# KiCad board PC110.kicad_pcb (continued)
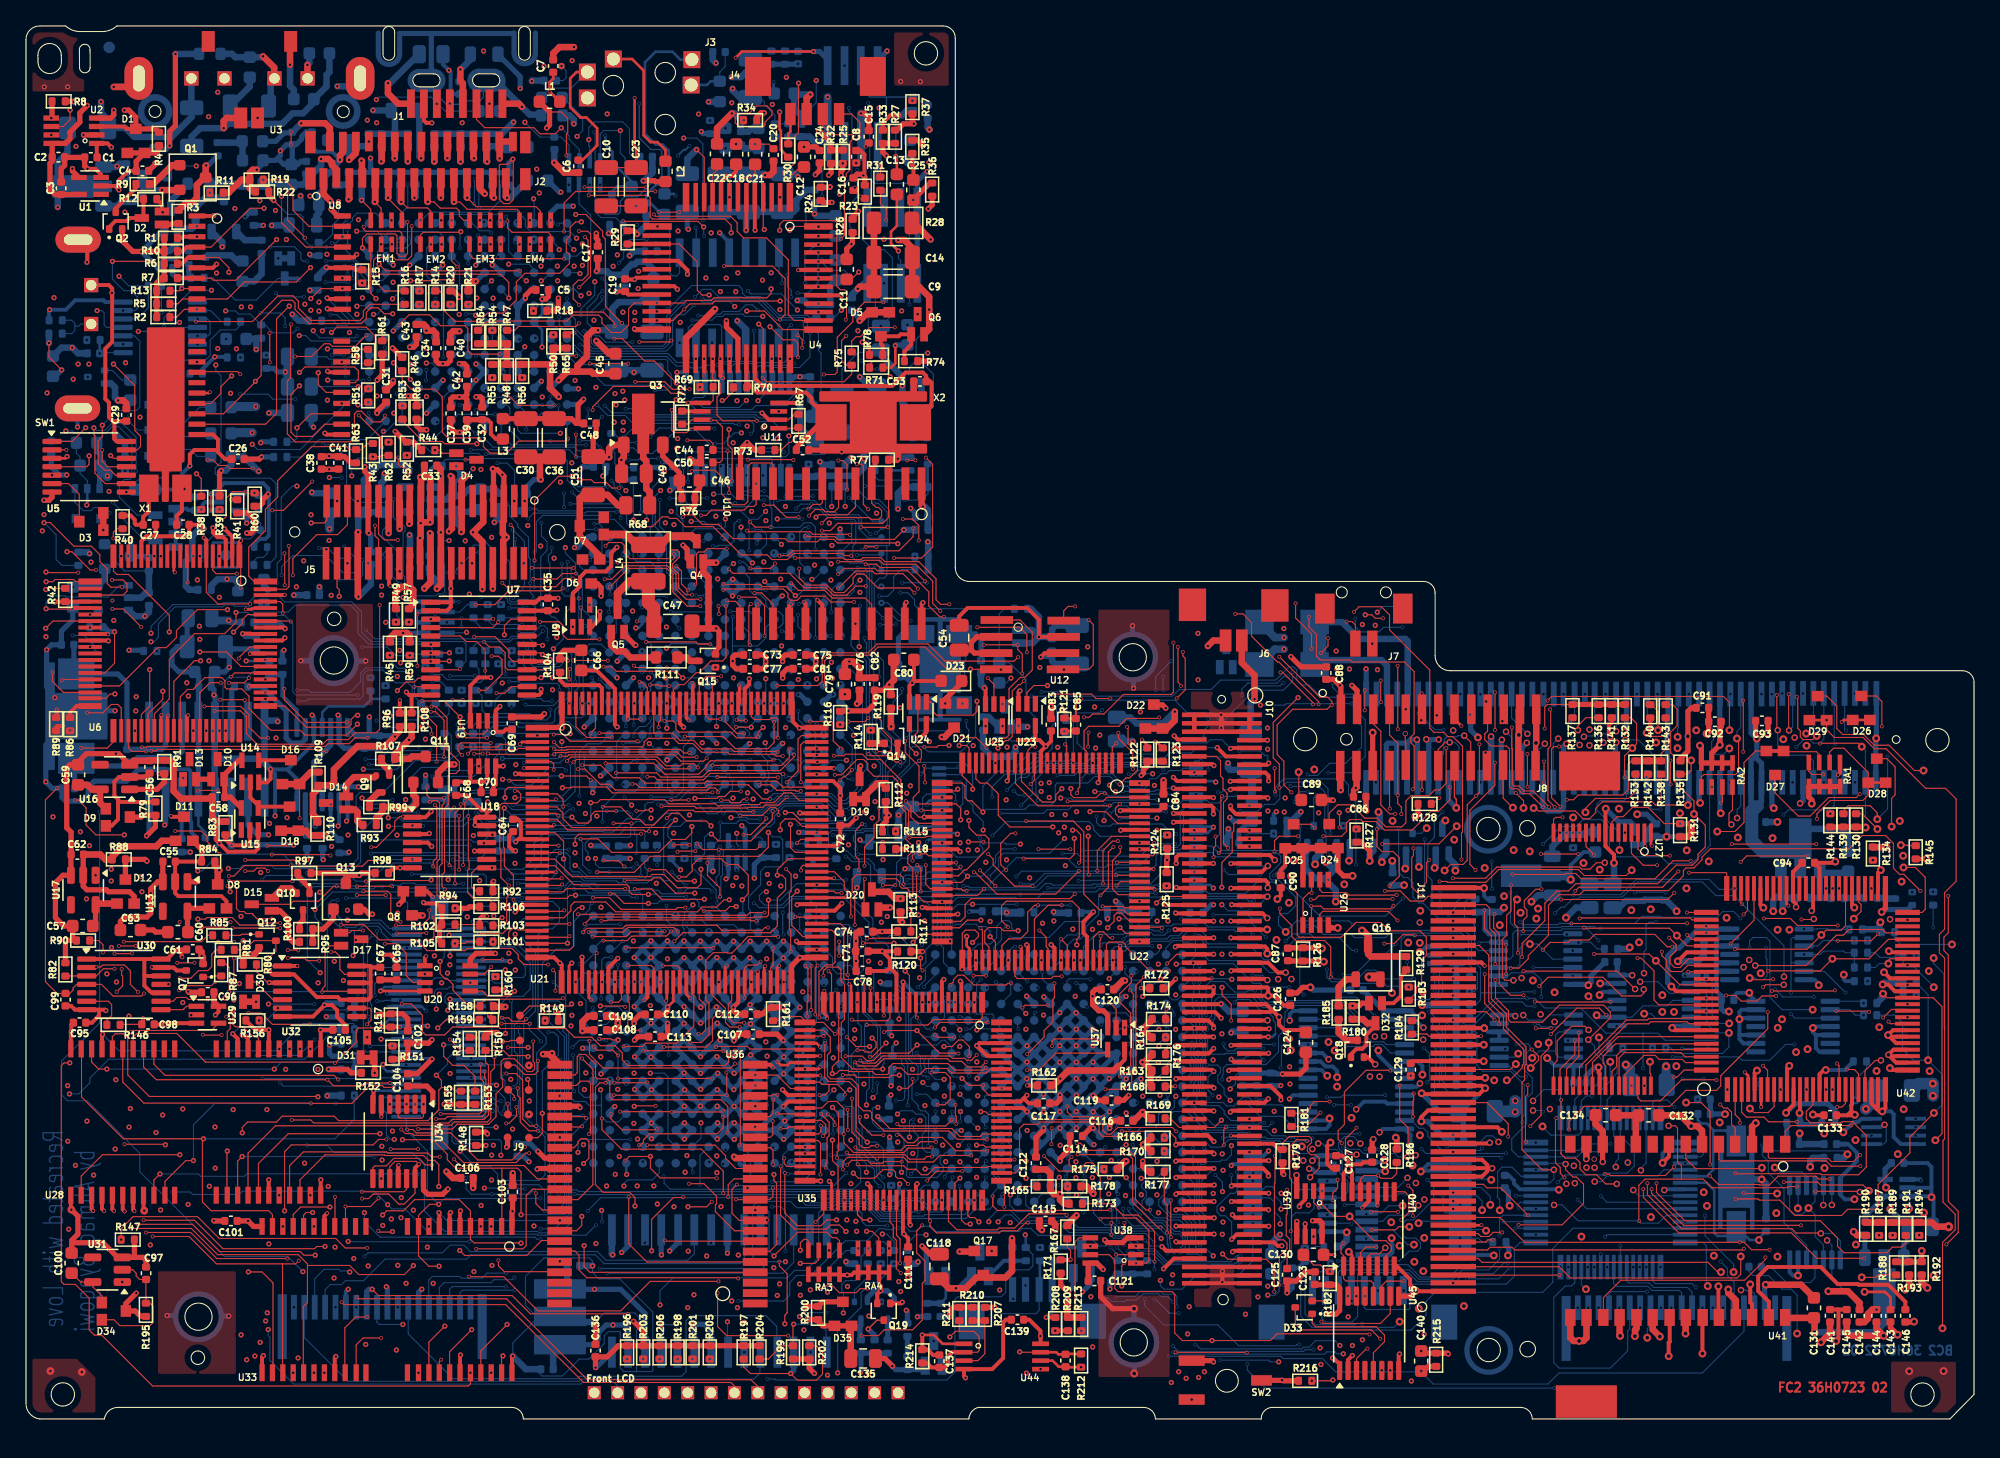
[diagram p0: board, top side]
## Routing (per net, layer and track width the routed paths; a pad name or vN(x,y) marks a point on that pad's centre or on a via; arc(x,y) is an arc through that point) (continued)
Net-(U51-P4): length 26.8
  FC2 w0.08: v3(41.45,89.42) 34.45,89.42 34.17,89.71 EM3.5
  FC1 w0.08: v3(41.45,89.42) 41.48,89.39 43.1,89.39 43.35,89.14 43.35,88.1 v1(43.81,87.64)
  BC1 w0.08: v7(31.68,84.47) 35.08,84.47 36.32,85.71 37.21,85.71 37.74,85.18 42.02,85.18 42.12,85.08 v7(42.75,85.08)
  BC2 w0.08: v1(43.81,87.64) 43.81,86.61 42.75,85.55 v7(42.75,85.08)
Net-(U51-P5): length 14.5
  FC1 w0.08: v3(34.97,90.52) 34.21,89.76 31.28,89.76 30.82,89.3 30.82,87 30.37,86.55 29.99,86.55 29.72,86.82 25.73,86.82 25.49,86.58 v1(25.49,85.75)
  BC2 w0.08: U51.A6 25.54,85.8 v1(25.49,85.75)
Net-(U51-P6): length 13.7
  FC1 w0.08: v3(35.79,90.52) 34.62,89.35 31.63,89.35 31.18,88.9 31.18,86.76 30.6,86.18 29.44,86.18 28.97,85.71 27.35,85.71 27.35,85.7 v1(26.77,85.12)
  BC2 w0.08: U51.B6 27.03,85.12 v1(26.77,85.12)
Net-(U51-P7): length 20.4
  FC1 w0.08: v3(36.57,90.52) 36.57,88.74 37.13,88.17 38.23,88.17 38.38,88.32 38.38,88.82 39.11,89.55 39.9,89.55 40.3,89.15 40.3,87.83 40.42,87.71 v1(40.95,87.71)
  BC1 w0.08: v1(40.95,87.71) 40.48,88.18 32.16,88.18 31.53,87.55 v7(31.53,86.32)
  BC2 w0.08: v7(31.53,86.32) 31.52,86.31 U51.E6
Net-(U51-P8): length 15.3
  FC2 w0.08: v1(33.49,91.5) 33.44,91.45 30.61,91.45 30.39,91.23 EM2.5
  BC1 w0.08: v7(28.98,86.3) 28.82,86.3 27.78,87.34 27.78,89.18 28.44,89.84 33.02,89.84 v7(33.42,90.24)
  BC2 w0.08: v7(28.98,86.3) U51.C6 ; v1(33.49,91.5) 33.42,91.43 v7(33.42,90.24)
Net-(U51-P9): length 15.2
  FC1 w0.08: v1(23.18,89.75) 23.16,89.77 23.16,90.3 23.3,90.44 25.01,90.44 26.04,91.47 28.06,91.47 29.01,90.52 v3(31.19,90.52)
  BC1 w0.08: v7(23.57,87.04) 23.57,89.36 v1(23.18,89.75)
  BC2 w0.08: U51.A5 26.4,87.03 23.58,87.03 v7(23.57,87.04)
Net-(U51-P10): length 18.1
  FC1 w0.08: v3(32.01,90.52) 31.43,89.94 29.55,89.94 28.93,89.32 28.93,88.69 28.48,88.24 28.23,88.24 27.22,87.23 25.04,87.23 24.46,86.65 24.46,84.75 24.92,84.29 v1(24.92,83.73)
  BC1 w0.08: v1(24.92,83.73) 24.92,84.31 25.06,84.45 25.06,86.05 25.96,86.95 v7(27.15,86.95)
  BC2 w0.08: v7(27.15,86.95) 27.27,87.07 U51.B5
Net-(U51-P11): length 11.1
  FC2 w0.08: EM2.8 32.79,89.25 v3(33.23,88.8)
  FC1 w0.08: v1(34.72,86.38) 34.09,87.01 34.09,87.94 v3(33.23,88.8)
  BC1 w0.08: v7(30.77,85.49) 31.46,85.49 32.28,84.67 33.96,84.67 34.22,84.93 34.22,85.85 34.72,86.35 v1(34.72,86.38)
  BC2 w0.08: U51.D6 30.46,85.8 v7(30.77,85.49)
Net-(U51-P12): length 14.1
  FC2 w0.08: v3(38.05,88.48) 27.71,88.48 v1(27.2,88.99)
  FC1 w0.08: v3(38.05,88.48) 38.05,90.49 v3(38.02,90.52)
  BC2 w0.08: U51.A4 26.45,88.34 26.85,88.74 26.95,88.74 v1(27.2,88.99)
Net-(U51-P13): length 15.1
  FC1 w0.08: v3(38.82,90.52) 38.48,90.85 35.58,90.85 35.3,90.57 35.3,90.31 34.54,89.55 31.46,89.55 30.99,89.08 30.99,86.88 30.49,86.38 29.15,86.38 29.1,86.33 v1(28.24,86.33)
  BC2 w0.08: v1(28.24,86.33) U51.C5
Net-(U51-P14): length 35.4
  FC1 w0.08: v3(39.64,90.52) 39.08,91.08 28.83,91.08 26.6,93.31 25.57,93.31 24.55,92.29 22.24,92.29 20.31,94.22 v1(19.68,94.22)
  BC1 w0.08: v7(23.13,90.32) 23.12,90.31 v7(21.99,90.31)
  BC2 w0.08: v7(21.99,90.31) 21.34,90.96 21.34,92.62 21.12,92.84 20.16,92.84 19.68,93.32 v1(19.68,94.22) ; U51.B4 27.71,87.98 27.47,87.74 26.25,87.74 25.82,88.17 25.82,88.88 24.39,90.31 23.14,90.31 v7(23.13,90.32)
Net-(U51-P15): length 22.3
  FC2 w0.08: EM4.8 40.42,91.26 40.22,91.45 37.44,91.45 37.09,91.8 v3(37.09,92.29) ; v3(29.39,92.25) 29.39,89.81 29.18,89.6 28.8,89.6 28.58,89.82 28.58,91.18 28.44,91.32 26.26,91.32 25.92,90.98 v1(25.92,90.25)
  FC1 w0.08: v3(29.39,92.25) 29.9,92.25 30.29,91.86 32.77,91.86 33.16,92.25 34.57,92.25 34.87,91.95 36.75,91.95 v3(37.09,92.29)
  BC2 w0.08: U51.A3 26.44,89.73
  BC2 w0.4: 26.44,89.73 v1(25.92,90.25)
Net-(U51-RASA#): length 2.1
  FC2 w0.5: R21.2 34.08,87.45 34.3,87.67 v1(34.65,87.67)
  BC2 w0.08: v1(34.65,87.67) 34.66,87.67
  BC2 w0.4: 34.66,87.67 U51.H4
Net-(U51-RSET): length 5.9
  FC2 w0.4: v1(29.45,78.83) 29.77,78.83 30.09,78.51 R66.2
  BC1 w0.08: v7(26.39,77.51) 26.39,77.73 26.55,77.89 29.12,77.89 29.45,78.22 v1(29.45,78.83)
  BC2 w0.08: U51.A13 26.44,77.46 v7(26.39,77.51)
Net-(U51-SA0): length 33.6
  FC2 w0.2: U8.16 14.1,79.06 v3(14.17,79.13)
  FC1 w0.08: v1(15.38,85.39) 14.59,85.39 14.17,84.97 v3(14.17,79.13)
  BC1 w0.08: v7(34,90.97) 30.18,90.97 29.68,90.47 26.88,90.47 25.55,89.14 25.55,88.74 25.31,88.5 24.63,88.5 24.44,88.31 24.44,84.62 v7(24.48,84.58) ; v7(20.92,84.03) 21.47,84.58 22.94,84.58 v7(23.46,85.1)
  BC2 w0.08: v7(24.48,84.58) 23.96,85.1 v7(23.46,85.1) ; v1(15.38,85.39) 16.13,85.39 16.37,85.15 17.27,85.15 R265.1 18.41,84.31 19.02,83.7 20.59,83.7 v7(20.92,84.03) ; v7(34,90.97) 34,90.94 U51.G2
Net-(U51-SA1): length 38.3
  FC2 w0.08: U8.17 14.25,78.26 15.01,79.02 15.01,79.55 v1(15.84,80.38)
  BC1 w0.08: v1(15.84,80.38) 17.56,80.38 18.88,81.7 18.88,85.87 20.02,87.01 20.02,90.26 22.17,92.41 24.24,92.41 24.87,93.04 26.94,93.04 27.21,92.77 36.33,92.77 36.81,92.29 36.81,92 36.23,91.42 v7(35.84,91.42)
  BC2 w0.08: U51.G1 34.35,92.15 34.93,91.57 35.69,91.57 v7(35.84,91.42)
Net-(U51-SA2): length 31.5
  FC2 w0.08: v1(28.25,85.17) 27.59,85.17 27.13,85.63 26.57,85.63 26.22,85.28 26.22,84.8 25.83,84.41 21.81,84.41 20.72,85.5 20.72,86 20.51,86.21 19.72,86.21 18.11,84.6 18.11,80.4 v1(17.67,79.96) 17.67,79.92 15.21,77.46 U8.18
  BC1 w0.08: v1(28.25,85.17) 28.96,85.17 29.53,85.74 29.53,86.35 31.64,88.46 33.03,88.46 33.62,89.05 v7(34.06,89.05)
  BC2 w0.08: v7(34.06,89.05) U51.G3
Net-(U51-SA3): length 34.5
  FC2 w0.08: v1(20.28,85.76) 19.3,84.78 19.3,77.5 18.46,76.66 U8.19
  IC3 w0.08: v1(20.28,85.76) 19.7,85.18 19.7,84.9 20.23,84.37 33.96,84.37 v1(34.65,85.06)
  BC1 w0.08: v7(33.89,85.17) 33.89,85.94 34.06,86.11 v7(34.06,86.55)
  BC2 w0.08: v7(33.89,85.17) 34.54,85.17 v1(34.65,85.06) ; v7(34.06,86.55) U51.G5
Net-(U51-SA4): length 34.7
  FC2 w0.08: U8.22 23.01,76.66 22.07,75.72 20.74,75.72 20.41,76.05 20.41,78.96 v1(21.07,79.62)
  IC4 w0.08: v1(25.61,92.42) 24.68,92.42 24.31,92.05 24.31,80.54 23.39,79.62 v1(21.07,79.62)
  BC1 w0.08: v7(35.27,92.25) 34.87,92.25 34.7,92.42 v1(25.61,92.42)
  BC2 w0.08: U51.H1 35.33,92.09 35.32,92.08
Net-(U51-SA5): length 37.2
  FC2 w0.08: U8.23 21.95,77.46 v1(20.87,76.38)
  BC1 w0.08: v7(34.83,91.2) 34.83,91.48 34.13,92.18 26.36,92.18 26.13,91.95 24.63,91.95 24.37,92.21 22.37,92.21 20.24,90.08 20.24,86.77 19.25,85.78 19.25,82.44 20.39,81.3 20.39,76.86 v1(20.87,76.38)
  BC2 w0.08: v7(34.83,91.2) 34.84,91.2 35.16,90.88 U51.H2 ; R270.1 20.57,75.3 20.72,75.45 20.73,75.45 20.87,75.59 v1(20.87,76.38)
Net-(U51-SA6): length 33.3
  FC1 w0.08: v3(24.32,78.26) 23.81,78.77 23.81,80.97 22.51,82.27 19.28,82.27 18.17,83.38 18.17,84.83 v1(17.3,85.7)
  IC3 w0.08: v1(17.3,85.7) 17.3,86.7 18.08,87.48 24.22,87.48 24.53,87.17 35.32,87.17 v1(35.86,87.71)
  BC2 w0.08: U51.H5 35.33,87.18 v1(35.86,87.71)
Net-(U51-SA7): length 21.1
  FC2 w0.08: v1(22.51,80.63) 22.51,79.73 23.13,79.11 U8.25
  IC2 w0.08: v1(34.64,88.92) 34.3,88.92 34.29,88.93 32.59,87.23 32.59,86.15 29.53,83.09 23.27,83.09 22.56,82.38 22.56,80.68 v1(22.51,80.63)
  BC2 w0.3: v1(34.64,88.92) U51.H3
Net-(U51-SA8): length 45.7
  FC2 w0.08: U8.26 25.34,79.86 25.6,80.12 25.6,80.77 25.3,81.07 21.49,81.07 v1(21.07,80.65)
  BC1 w0.08: v7(16.48,78.97) 16.48,79.34 16.11,79.71 15.73,79.71 15.32,80.12 15.32,81.06 16.06,81.8 v7(16.52,81.8) ; v7(36.41,92.13) 35.94,92.6 26.57,92.6 26.35,92.82 25.12,92.82 v7(24.7,92.4) ; v7(20.74,78.59) 20.74,79.13 20.61,79.26 20.61,80.19 v1(21.07,80.65) 21.07,81.18 19.63,82.62 19.63,85.73 20.54,86.64 20.54,90.02 22.41,91.89 v7(24.13,91.89)
  BC2 w0.08: v7(24.13,91.89) 24.19,91.89 v7(24.7,92.4) ; U51.J1 36.58,92.13 v7(36.41,92.13) ; v7(16.48,78.97) 18.64,78.97 19.02,78.59 v7(20.74,78.59)
Net-(U51-SHFCLK): length 17.8
  FC1 w0.08: v3(32.7,85.9) 32.57,85.9 31.82,85.15 31.82,84.04 30.97,83.19 27.93,83.19 27.59,82.85 24.14,82.85 23.96,83.03 23.09,83.03 22.83,83.29 v1(22.83,83.85)
  BC2 w0.08: U51.B8 27.71,83.37 27.11,83.97 25.58,83.97 25.47,84.08 23.06,84.08 v1(22.83,83.85)
Net-(U51-VSYNC): length 2
  FC2 w0.4: v1(28.23,82.52) 28.26,82.52 R46.2
  BC2 w0.08: v1(28.23,82.52) 28.28,82.52 28.81,81.99 U51.C9
Net-(U51-WEA#): length 32.2
  FC2 w0.08: v3(29.71,91.93) 29.71,89.63 29.41,89.33 28.49,89.33 28.31,89.51 26.99,89.51 26.77,89.29 26.77,87.78 27.63,86.92 R16.2
  FC1 w0.08: v3(29.71,91.93) 30.05,91.59 32.9,91.59 33.24,91.93 34.42,91.93 34.62,91.73 37.47,91.73 37.67,91.93 40.77,91.93 41.62,92.78 41.62,94.8 40.11,96.31 v1(39.34,96.31)
  BC1 w0.08: v7(37.83,92.25) 37.83,93.44 39.34,94.95 v1(39.34,96.31)
  BC2 w0.08: v7(37.83,92.25) 37.83,92.19 U51.K1
Net-(U54A-C): length 15.6
  FC2 w0.08: v1(5.88,76.58) 5.88,75.7 5.56,75.38 5.56,73.62 6.07,73.11 6.51,73.11 6.89,72.73 U5.10
  BC2 w0.08: 7.48,83.47 8.36,83.47 8.77,83.06 8.77,77.98 8.51,77.72 7.04,77.72 6.91,77.59 6.89,77.59 v1(5.88,76.58)
Net-(U54B-C): length 18.6
  FC1 w0.08: v3(7.73,71.43) 8.62,71.43 9.36,72.17 9.36,83.1 v1(8.65,83.81)
  BC2 w0.08: v1(8.65,83.81) 10.98,83.81 11.29,84.12 U54.11
Net-(U54B-Q): length 2.6
  BC2 w0.08: R286.2 15.07,84.56 14.21,85.42 U54.9
Net-(U55-OUT): length 22.1
  FC2 w0.08: v1(5.23,76.38) 5.23,75.85 5.31,75.77 5.31,72.89 6.12,72.08 U5.9
  BC1 w0.08: v7(8.48,73.03) 7.66,73.03 v7(7.63,73.06) 7.63,70.36 7.1,69.83 v7(6.44,69.83)
  BC2 w0.08: U55.1 3.77,70.64 4.41,70 5.01,70 5.24,70.24 6.04,70.24 v7(6.44,69.83) ; v7(8.48,73.03) 8.48,75.67 7.45,76.7 6.59,76.7 6.08,76.19 5.42,76.19 v1(5.23,76.38)
Net-(U56-Pad2): length 11
  BC1 w0.08: v7(135.95,32.85) v7(135.95,31.19)
  BC2 w0.08: U68.3 136.25,30.89 v7(135.95,31.19) ; 135.95,35.15 135.95,36.97 136.08,37.1 U56.2 ; 135.95,35.15 U56.5 ; 135.95,35.15 v7(135.95,32.85)
Net-(U59-RP#): length 13
  FC2 w0.08: 65.35,40.62 D20.3
  FC2 w0.5: 65.35,40.62 66.43,40.62 66.95,40.1 v3(67.36,40.1)
  FC1 w0.08: v1(71.75,45.06) 71.73,45.04 71.44,45.04 71.26,44.86 71.26,43.19 69.82,41.75 67.14,41.75 66.66,41.27 66.66,40.8 v3(67.36,40.1)
  BC2 w0.2: U59.10 71.66,45.15 v1(71.75,45.06)
Net-(U59-WE#): length 11.3
  FC2 w0.08: U24.4 68.05,51.79 v1(68.57,51.27)
  BC1 w0.08: v1(68.57,51.27) 69.08,51.27 69.9,50.45 69.9,44.99 v7(69.4,44.49)
  BC2 w0.2: v7(69.4,44.49) 69.56,44.65 U59.9
Net-(U61-CPUCLK33): length 18.6
  IC1 w0.08: v1(61.16,73.76) 61.09,73.83 55.87,73.83 v1(54.47,75.23)
  IC4 w0.08: v1(54.47,75.23) 54.52,75.19 54.52,69.19 54.44,69.11 54.44,68.36 54.5,68.3 v1(54.5,65.92)
  BC2 w0.08: v1(54.5,65.92) 54.41,65.92 53.94,65.45 53.82,65.45
  BC2 w0.5: v1(61.16,73.76) 61.39,73.53 R251.2
Net-(U61-IOR#): length 7.8
  BC1 w0.08: v7(51.77,44.21) 52.48,44.21 53.2,44.93 53.2,45.8 53.06,45.94 53.06,46.66 53.15,46.75 53.15,47.77 53.01,47.91 53.01,49.43 53.2,49.62 v7(53.2,50.12)
  BC2 w0.08: v7(53.2,50.12) 53.27,50.19 U61.J15
Net-(U61-IOW#): length 10.4
  BC1 w0.08: v7(50.72,44.21) 51.39,44.88 51.72,44.88 52.27,45.43 52.27,45.87 52.47,46.07 v7(52.47,47.94) ; v7(54.49,51.4) 54.49,50.55 54.41,50.47 v7(54.41,49.3)
  BC2 w0.08: v7(54.49,51.4) 54.44,51.45 53.83,51.45 ; v7(54.41,49.3) 54.41,48.53 53.82,47.94 v7(52.47,47.94)
Net-(U61-MEMR#): length 10.7
  BC1 w0.08: v7(50.66,52.36) 50.22,51.92 50.22,46.97 50.16,46.91 v7(50.16,46.67)
  BC2 w0.08: 50.02,52.72 50.28,52.72 50.64,52.36 v7(50.66,52.36) ; R322.2 47.66,45.14 49.19,46.67 v7(50.16,46.67)
Net-(U61-MEMW#): length 9.2
  BC1 w0.08: v7(48.6,43.9) 49.26,43.9 50.46,45.1 50.46,50.78 v7(51.07,51.39)
  BC2 w0.08: v7(48.6,43.9) R324.2
Net-(U61-PS/RCLR#): length 79.6
  FC2 w0.08: v3(59.46,81.82) 59.46,82.92 59.22,83.16 58.32,83.16 v1(57.31,84.17)
  FC1 w0.08: v3(59.46,81.82) 60.7,80.58 60.7,73.19 62.54,71.35 62.54,69.73 63.18,69.09 63.18,67.29 62.89,67 62.89,57.51 63.08,57.32 v3(63.08,55.85) 62.87,55.64 62.87,53.67 v3(62.71,53.51)
  BC1 w0.08: v1(57.31,84.17) 57.86,83.62 57.86,81.81 58.97,80.7 58.97,79.87 59.4,79.44 63.25,79.44 64.4,78.29 64.4,77.41 65.32,76.49 65.32,71.34 65.01,71.03 65.01,69.65 65.53,69.13 65.92,69.13 66.35,68.7 66.35,65.08 66.79,64.64 66.79,61.65 66.69,61.55 66.69,60.85 67.08,60.46 67.08,59.02 66.72,58.66 65.86,58.66 65.53,58.99 64.12,58.99 64.02,59.09 62.67,59.09 62.55,58.97 60.86,58.97 60.38,58.49 60.38,58.13 61.3,57.21 61.3,56.75 60.82,56.27 58.52,56.27 v7(57.64,55.39)
Net-(U61-PWRGD): length 40.9
  FC2 w0.08: v3(30.52,55.33) 32.21,55.33 v1(33.44,54.1) 33.44,53.34 33.99,52.79 35.26,52.79 35.53,53.06 U19.2 ; v3(28.79,55.38) 28.8,55.37
  FC2 w0.3: 28.8,55.37 R96.2
  FC1 w0.08: v3(28.79,55.38) 30.47,55.38 v3(30.52,55.33)
  IC1 w0.08: v1(62.11,57.09) 62.02,57.09 60.78,55.85 42.02,55.85 41.55,55.38 37.93,55.38 36.65,54.1 v1(33.44,54.1)
  BC2 w0.08: v1(62.11,57.09) 62.01,57.09 61.45,56.53
Net-(U61-PWRGD_P13): length 43.4
  FC1 w0.08: v1(28.78,59.23) 28.78,59.83 28.5,60.11 v3(28.5,61.41) 28.92,61.41 29.48,60.85 30.01,60.85 v3(31.18,59.69)
  IC3 w0.08: v1(58.51,53.28) 57.84,53.95 41.22,53.95 40.95,53.68 37.15,53.68 35.51,55.32 28.77,55.32 27.87,56.22 27.88,56.23 27.88,59.01 28.1,59.23 v1(28.78,59.23)
  BC1 w0.08: v1(58.51,53.28) 59.01,52.78 59.61,52.78 59.7,52.69 v7(60.12,52.69)
Net-(U61-RAMA0): length 14.5
  BC1 w0.08: v7(43.01,50) 43.41,50 45.34,51.93 45.34,52.51 v7(46.21,53.38) ; v7(40.72,51.17) 42.97,51.17 v7(42.99,51.15)
  BC2 w0.08: v7(43.01,50) 43.01,51.13 v7(42.99,51.15) ; v7(40.72,51.17) 37.17,51.17 36.95,51.39 36.95,51.43 36.94,51.44 36.94,52.34 R346.2 ; v7(46.21,53.38) 46.21,53.99
Net-(U61-RAMA1): length 15.2
  BC1 w0.08: v7(42.99,52.8) 43.45,52.8 44.91,54.26 47.11,54.26 47.49,54.64 v7(48.01,54.64)
  BC2 w0.08: v7(42.99,52.8) 42.73,52.8 41.8,53.73 41.2,53.73 40.79,53.32 37.94,53.32 37.82,53.44 36.04,53.44 35.45,52.85 R338.2 ; v7(48.01,54.64) 48.1,54.64 48.75,53.99
Net-(U61-RAMA2): length 10.7
  BC1 w0.08: v7(43.01,52.32) 42.9,52.32 42.59,52.63 42.59,53.75 43.41,54.57 v7(44.9,54.57)
  BC2 w0.08: v7(44.9,54.57) 44.9,54.03 44.94,53.99 ; v7(43.01,52.32) 41.81,52.32 41.3,52.83 R342.2
Net-(U61-RAMA3): length 15.3
  BC1 w0.08: v7(48.4,55.82) 46.66,55.82 46.31,56.17 v7(41.09,56.17) ; v7(36.94,57.43) 37.23,57.14 v7(37.23,56.82)
  BC2 w0.08: v7(41.09,56.17) 41.09,56.51 40.91,56.69 38.09,56.69 37.96,56.82 v7(37.23,56.82) ; R337.2 36.48,59.21 36.9,58.79 36.9,57.69 36.94,57.65 v7(36.94,57.43) ; v7(48.4,55.82) 48.4,55.79 48.75,55.44 48.75,55.26
Net-(U61-RAMA4): length 14.6
  BC1 w0.08: v7(38.24,55.5) 38.24,56.2 38.03,56.41 38.03,58 37.4,58.64 36.85,58.64 36.69,58.79 35.81,58.79 v7(35.39,59.21) ; v7(46.17,55.83) 45.67,55.33 42.6,55.33 42.51,55.42 41.97,55.42 41.86,55.31 v7(40.5,55.31)
  BC2 w0.08: v7(38.24,55.5) 39.67,55.5 39.86,55.31 v7(40.5,55.31) ; v7(46.17,55.83) 46.22,55.79 U61.C11
Net-(U61-RAMA5): length 13.7
  BC1 w0.08: v7(41.48,55.84) 44.88,55.84 v7(44.89,55.85) ; v7(38.43,54.08) 38.43,55.02 v7(38.47,55.06)
  BC2 w0.08: v7(44.89,55.85) 44.94,55.8 44.94,55.26 ; v7(38.47,55.06) 38.55,54.97 40.61,54.97 v7(41.48,55.84) ; R333.2 34.69,56.16 35.13,55.72 35.13,54.61 35.66,54.08 v7(38.43,54.08)
Net-(U61-RAMA6): length 12
  BC1 w0.08: v7(41.11,54.5) 40.87,54.5 40.71,54.66 v7(40.39,54.66)
  BC2 w0.08: 43.67,55.26 43.22,55.26 43.06,55.1 43.06,54.3 42.8,54.04 41.58,54.04 v7(41.11,54.5) ; v7(40.39,54.66) 40.39,54.15 40.11,53.87 39.27,53.87 38.78,54.36 36.43,54.36 36.12,54.67 36.12,55.36 36.93,56.16 R343.2
Net-(U61-RAMA7): length 31.6
  BC1 w0.08: v7(33.54,61.04) 33.51,61.01 33.51,60.42 33.97,59.96 33.97,58.35 33.56,57.94 v7(33.56,56.16) ; v7(48.12,57.57) 48.12,58.09 47.81,58.4 47.81,61.56 47.58,61.79 45.87,61.79 45.57,62.09 45.57,62.36 46.47,63.26 46.47,63.7 46.14,64.03 43.96,64.03 43.72,63.79 42.6,63.79 42.18,64.21 41.08,64.21 40.95,64.08 39.84,64.08 39.54,63.78 37.1,63.78 35.02,61.7 v7(33.55,61.7)
  BC2 w0.08: v7(48.12,57.57) 48.39,57.3 48.39,56.98 48.12,56.71 48.12,56.17 47.48,55.53 47.48,55.26 ; v7(33.54,61.04) 33.54,61.69 v7(33.55,61.7)
Net-(U61-RAMA8): length 9.2
  BC1 w0.08: v7(41.3,57.68) 41.3,57.66 41.29,57.65 41.48,57.46 43.71,57.46 v7(44.19,56.98) ; v7(37.41,59.21) 38.14,59.21 v7(38.33,59.02)
  BC2 w0.08: v7(38.33,59.02) 38.33,58.1 38.75,57.68 v7(41.3,57.68) ; v7(44.19,56.98) 44.2,56.98 44.65,56.53 44.94,56.53
Net-(U61-RAMA9): length 9.7
  BC1 w0.08: v7(43.6,57.12) 42.74,57.12 42.63,57.23 41.16,57.23 40.71,57.68 39.17,57.68 38.97,57.48 v7(38.97,57.12)
  BC2 w0.08: R329.2 36.23,56.76 36.23,56.91 36.44,57.12 v7(38.97,57.12) ; v7(43.6,57.12) 43.68,57.05 43.68,56.54
Net-(U61-RAMA10): length 16.4
  BC1 w0.08: v7(47.45,56.28) 47.16,56.28 46.96,56.48 41.67,56.48 v7(41.65,56.46)
  BC2 w0.08: v7(41.65,56.46) 41.83,56.28 41.83,55.72 40.73,54.62 40.73,53.81 40.55,53.63 38.06,53.63 38,53.69 34.72,53.69 34.44,53.41 R345.2 ; v7(47.45,56.28) 47.45,56.5 47.48,56.53
Net-(U61-RAMA11): length 13.7
  BC1 w0.08: v7(39.22,59.71) 39.22,58.61 39.76,58.07 41.54,58.07 41.9,57.71 v7(45.97,57.71)
  BC2 w0.08: v7(39.22,59.71) 38.79,60.14 37.51,60.14 37.26,59.89 34.82,59.89 34.47,59.54 R335.2
Net-(U61-RESET): length 70.8
  BC1 w0.08: v7(71.92,53.03) 72.85,53.03 73.49,52.39 73.49,51.22 74.44,50.27 v7(76.26,50.27) ; v7(77.93,51.32) 77.93,51.86 78.29,52.22 83.69,52.22 84.72,53.25 90.51,53.25 91.37,52.39 93.24,52.39 93.89,51.74 93.89,49.2 94.76,48.33 96.01,48.33 v7(96.25,48.09) ; v7(108.92,39.32) 108.52,38.92 v7(108.52,35.74) ; v7(108.93,40.54) 108.57,40.9 107.04,40.9 106.78,40.64 104.56,40.64 102.47,42.73 v7(102.44,42.73) ; v7(58.75,52.54) 59.56,52.54 59.94,52.16 63.15,52.16 63.28,52.03 64.3,52.03 64.73,52.46 v7(67.77,52.46)
  BC2 w0.08: v7(96.25,48.09) 96.25,48.71 96.87,49.33 101.41,49.33 101.87,48.87 101.87,48.11 102.44,47.54 v7(102.44,42.73) ; v7(108.93,40.54) 108.92,40.53 v7(108.92,39.32) ; v7(76.26,50.27) 77.31,51.32 v7(77.93,51.32) ; v7(67.77,52.46) 68.34,53.03 v7(71.92,53.03)
Net-(U61-RTCOSCI): length 10.9
  BC1 w0.4: v5(67.2,58.14) 66.83,57.77 65.29,57.77 63.35,55.83 v5(62.17,55.83)
  BC2 w0.4: 61.45,55.26 62.02,55.83 v5(62.17,55.83) ; X3.1 67.53,60.49 67.2,60.16 v5(67.2,58.14)
Net-(U61-RTCOSCO): length 21.8
  BC1 w0.4: v7(59.48,55.82) 60.8,54.5 62.27,54.5 62.89,53.88 68.45,53.88 70.33,55.76 70.33,56.77 71.99,58.43 v7(73.56,58.43)
  BC2 w0.4: v7(73.56,58.43) 73.56,60.08 73.15,60.49 X3.4 ; 60.18,55.26 59.62,55.82 v7(59.48,55.82)
Net-(U61-TP1): length 3.5
  BC1 w0.08: v7(66.12,51.36) 65.89,51.59 v7(62.75,51.59)
Net-(U61-UNKNOWN3): length 15.2
  BC1 w0.08: v7(61.45,58.58) 61.64,58.77 62.69,58.77 62.84,58.92 63.8,58.92 64.26,58.46 64.27,58.47 66.88,58.47 67.33,58.92 67.33,63.13 67.83,63.63 67.83,66.32 67.96,66.45 v7(68.47,66.45)
  BC2 w0.08: v7(61.45,58.58) 61.45,59.07
Net-(U61-UNKNOWN4): length 13.9
  BC1 w0.08: v7(65.73,63.4) 65.48,63.15 65.48,62.19 64.74,61.45 62.32,61.45 61.45,60.58 61.45,59.84 61.16,59.55 60.1,59.55 v7(59.55,59)
  BC2 w0.08: R249.2 67.42,65.47 66.83,64.88 66.83,63.86 66.37,63.4 v7(65.73,63.4) ; v7(59.55,59) 59.48,59.07 58.91,59.07
Net-(U63-3XCPUCLK): length 3.2
  BC2 w0.08: 11.99,47.91 U63.14
  BC2 w0.3: R359.1 11.99,47.91